# KiCad board RoyBoard.kicad_pcb (continued)
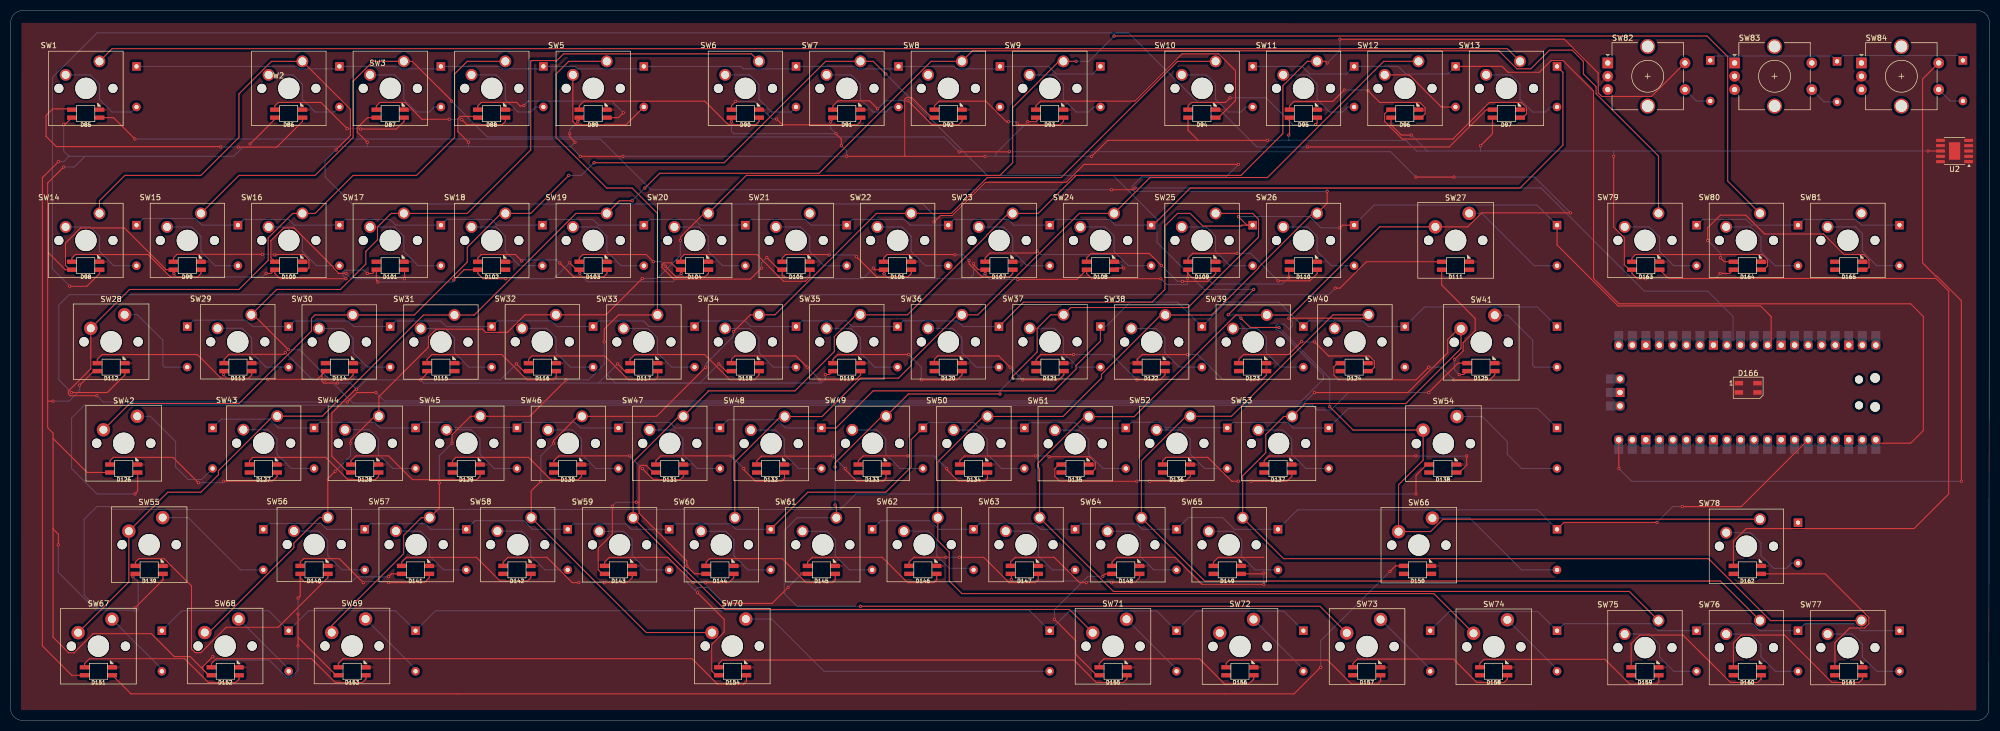
[diagram p0: board, top side]
## Routing (per net, layer and track width the routed paths; a pad name or vN(x,y) marks a point on that pad's centre or on a via; arc(x,y) is an arc through that point) (continued)
Net-(D54-A): length 24.3
  Bottom w0.2: SW54.2 276.16,57.08 276.23,57.15 280.99,52.39 280.99,50.01 283.67,47.32 D54.2
Net-(D55-A): length 23
  Bottom w0.2: D55.2 43.17,28.27 33.35,38.09 SW55.2
Net-(D56-A): length 18
  Bottom w0.2: SW56.2 57.78,35.58 59.53,33.83 59.53,30.96 62.22,28.27 D56.2
Net-(D57-A): length 18
  Bottom w0.2: SW57.2 76.91,35.56 78.58,33.89 78.58,30.96 81.27,28.27 D57.2
Net-(D58-A): length 17.9
  Bottom w0.2: SW58.2 95.98,35.55 97.63,33.9 97.63,30.96 100.32,28.27 D58.2
Net-(D59-A): length 17.9
  Bottom w0.2: SW59.2 115.1,35.52 116.68,33.94 116.68,30.96 119.37,28.27 D59.2
Net-(D60-A): length 17.9
  Bottom w0.2: SW60.2 134.21,35.53 135.78,33.97 135.78,31.01 135.73,30.96 138.42,28.27 D60.2
Net-(D61-A): length 17.9
  Bottom w0.2: D61.2 157.47,28.27 154.78,30.96 154.83,31.01 154.83,33.97 153.26,35.53 SW61.2
Net-(D62-A): length 17.9
  Bottom w0.2: SW62.2 172.3,35.55 173.87,33.99 173.87,31 173.83,30.96 176.21,28.58 180.48,28.58 D62.2
Net-(D63-A): length 17.9
  Bottom w0.2: SW63.2 191.41,35.55 192.98,33.99 192.98,31.06 192.88,30.96 195.57,28.27 D63.2
Net-(D64-A): length 17.9
  Bottom w0.2: SW64.2 210.53,35.52 212.1,33.96 212.1,31.13 211.93,30.96 214.62,28.27 D64.2
Net-(D65-A): length 17.9
  Bottom w0.2: SW65.2 229.54,35.52 231.11,33.96 231.11,31.09 230.98,30.96 233.67,28.27 D65.2
Net-(D66-A): length 27.4
  Bottom w0.2: SW66.2 273.94,38 283.67,28.27 D66.2
Net-(D67-A): length 13.7
  Bottom w0.2: D67.2 28.39,9.64 SW67.2
Net-(D68-A): length 13.7
  Bottom w0.2: SW68.2 52.2,9.64 D68.2
Net-(D69-A): length 13.7
  Bottom w0.2: D69.2 76.01,9.67 SW69.2
Net-(D70-A): length 61.1
  Bottom w0.2: SW70.2 142.89,19.04 152.7,9.22 D70.2
Net-(D71-A): length 13.7
  Bottom w0.2: D71.2 218.89,9.61 SW71.2
Net-(D72-A): length 13.6
  Bottom w0.2: SW72.2 242.7,9.61 D72.2
Net-(D73-A): length 13.6
  Bottom w0.2: D73.2 266.51,9.64 SW73.2
Net-(D74-A): length 13.5
  Bottom w0.2: SW74.2 290.32,9.58 D74.2
Net-(D75-A): length 17.8
  Bottom w0.2: SW75.2 307.62,16.21 309.56,14.27 309.56,11.91 312.25,9.22 D75.2
Net-(D76-A): length 17.8
  Bottom w0.2: SW76.2 326.67,16.21 328.61,14.27 328.61,11.91 331.3,9.22 D76.2
Net-(D77-A): length 17.8
  Bottom w0.2: D77.2 350.35,9.22 347.66,11.91 347.66,14.27 345.72,16.21 SW77.2
Net-(D78-A): length 18
  Bottom w0.2: SW78.2 326.67,35.26 328.61,33.32 328.61,30.96 330.99,28.58 333.38,28.58 334.33,29.53 D78.2
Net-(D79-A): length 18.1
  Bottom w0.2: SW79.2 307.62,92.73 309.56,90.78 309.56,88.11 312.25,85.42 D79.2
Net-(D80-A): length 18.1
  Bottom w0.2: D80.2 331.3,85.42 328.61,88.11 328.61,90.78 326.67,92.73 SW80.2
Net-(D81-A): length 18.5
  Bottom w0.2: SW81.2 346.38,92.73 347.66,91.44 347.66,88.11 350.35,85.42 D81.2
Net-(D82-A): length 5.7
  Bottom w0.2: SW83.S2 340.48,116.21 D82.2
Net-(D83-A): length 5.6
  Bottom w0.2: SW82.S2 316.49,116.38 D83.2
Net-(D84-A): length 5.4
  Bottom w0.2: D84.2 364.12,116.38 SW84.S2
Net-(D85-DOUT): length 61.1
  Top w0.2: D85.1 11.35,114.9 7.89,114.9 6.65,113.66 6.65,109.71 6.68,109.71 8.58,107.81 39.38,107.81 v1(39.45,107.74) ; v1(42.75,107.71) 49.96,107.71 54.8,112.55 D86.3
  Bottom w0.2: v1(39.45,107.74) 42.72,107.74 v1(42.75,107.71)
Net-(D86-DOUT): length 28.6
  Top w0.2: v1(65.69,111.1) 72.4,111.1 73.85,112.55 D87.3 ; v1(63.19,111.18) 58.26,116.1 50.25,116.1 49.6,115.45 D86.1
  Bottom w0.2: v1(65.69,111.1) 65.61,111.18 v1(63.19,111.18)
Net-(D87-DOUT): length 27.9
  Top w0.2: D87.1 68.65,115.45 69.3,116.1 74.07,116.1 77.22,112.95 v1(82.36,112.95) ; v1(84.69,112.88) 85.67,111.9 92.25,111.9 92.9,112.55 D88.3
  Bottom w0.2: v1(84.69,112.88) 84.62,112.95 v1(82.36,112.95)
Net-(D88-DOUT): length 33.3
  Top w0.2: v1(96.37,115.55) 96.28,115.46 95.63,115.46 94.98,116.11 88.36,116.11 87.7,115.45 D88.1 ; D89.3 114.12,113.25 v1(115.04,114.17)
  Bottom w0.2: v1(115.04,114.17) 112.85,116.36 97.17,116.36 v1(96.37,115.55)
Net-(D89-DOUT): length 37.7
  Top w0.2: D90.3 140.52,112.55 139.87,111.9 134.76,111.9 130.31,116.36 107.66,116.36 106.75,115.45 D89.1
Net-(D90-DOUT): length 28.1
  Top w0.2: D91.3 159.57,112.55 158.92,111.9 144.9,111.9 v1(143.81,112.99) ; v1(136.15,116.3) 135.32,115.48 D90.1
  Bottom w0.2: v1(143.81,112.99) 142.99,112.99 139.68,116.3 v1(136.15,116.3)
Net-(D91-DOUT): length 29.5
  Top w0.2: D92.3 178.62,112.55 177.97,111.9 173.01,111.9 v1(168.46,116.44) ; v1(162.77,114.9) 161.27,116.4 155.32,116.4 154.37,115.45 D91.1
  Bottom w0.2: v1(162.77,114.9) 164.31,116.44 v1(168.46,116.44)
Net-(D92-DOUT): length 28.1
  Top w0.2: v1(188.97,112.19) 189.26,111.9 197.02,111.9 197.67,112.55 D93.3 ; D92.1 173.42,115.45 174.33,116.36 183.08,116.36 186.96,112.48 v1(187.34,112.48)
  Bottom w0.2: v1(187.34,112.48) 188.68,112.48 v1(188.97,112.19)
Net-(D93-DOUT): length 54.2
  Top w0.2: D94.3 226.74,113.25 229.96,116.47 229.96,122.07 226.8,125.23 219.91,125.23 211.04,116.36 193.38,116.36 192.47,115.45 D93.1
Net-(D94-DOUT): length 28.8
  Top w0.2: v1(244.98,111.95) 245.3,112.27 D95.3 ; D94.1 221.05,115.45 221.7,116.1 228.08,116.1 v1(228.96,116.98)
  Bottom w0.2: v1(244.98,111.95) 244.93,111.9 240.75,111.9 235.67,116.98 v1(228.96,116.98)
Net-(D95-DOUT): length 31.4
  Top w0.2: v1(250.38,118.45) 248.23,116.3 240.95,116.3 240.1,115.45 D95.1 ; v1(254.82,118.34) 257.05,116.1 264.57,116.1 265.55,115.12 265.55,113.96 264.84,113.25 D96.3
  Bottom w0.2: v1(250.38,118.45) 254.71,118.45 v1(254.82,118.34)
Net-(D96-DOUT): length 36.9
  Top w0.2: D97.3 283.89,113.25 284.6,113.96 284.6,115.12 283.62,116.1 277.64,116.1 270.76,109.22 261.27,109.22 257.95,112.54 257.95,113.96 258.74,114.75 D96.1
Net-(D97-DOUT): length 333.5
  Top w0.2: D98.3 16.7,83.97 14.29,81.57 v1(11.09,81.57) ; D97.1 277.09,114.75 270.09,107.75 v1(243.49,107.75)
  Bottom w0.2: v1(11.09,81.57) 7.85,84.81 7.85,120.8 16.24,129.19 209.85,129.19 222.94,116.1 225.6,116.1 233.95,107.75 v1(243.49,107.75)
Net-(D98-DOUT): length 27.9
  Top w0.2: D98.1 11.5,86.87 12.15,87.53 25.79,87.53 29.99,83.32 35.1,83.32 35.75,83.97 D99.3
Net-(D100-DIN): length 29.8
  Top w0.2: v1(49.59,87.46) 49.65,87.53 55.02,87.53 56,86.55 56,85.01 55.67,84.67 D100.3 ; v1(47.28,87.57) 31.24,87.57 30.55,86.87 D99.1
  Bottom w0.2: v1(49.59,87.46) 49.48,87.57 v1(47.28,87.57)
Net-(D100-DOUT): length 36.1
  Top w0.2: D101.3 73.96,84.57 v1(73.96,82.98) ; D100.1 48.86,86.91 48.86,90.13 51.26,92.52 53.2,92.52 60.62,85.1 60.62,84.97 61.61,83.98 v1(62.96,83.98)
  Bottom w0.2: v1(62.96,83.98) 63.96,82.98 v1(73.96,82.98)
Net-(D102-DOUT): length 28.1
  Top w0.2: D103.3 111.95,83.97 111.3,83.32 105.71,83.32 v1(103.1,85.94) ; v1(95.96,86.33) 94.76,87.53 88.35,87.53 87.7,86.87 D102.1
  Bottom w0.2: v1(103.1,85.94) 102.51,86.53 96.15,86.53 v1(95.96,86.33)
Net-(D103-DOUT): length 27.9
  Top w0.2: D103.1 106.75,86.87 107.4,87.53 119.33,87.53 v1(120.65,86.21) ; D104.3 131,83.97 130.35,83.32 124.92,83.32 v1(122.89,85.36)
  Bottom w0.2: v1(120.65,86.21) 122.04,86.21 v1(122.89,85.36)
Net-(D104-DOUT): length 29
  Top w0.2: D104.1 125.8,86.87 126.45,87.53 140.09,87.53 145.1,82.51 149.23,82.51 150.05,83.33 D105.3
Net-(D105-DOUT): length 27.9
  Top w0.2: v1(158.79,87.13) 162.59,83.32 168.45,83.32 169.1,83.97 D106.3 ; v1(153.69,87.45) 153.61,87.53 145.5,87.53 144.85,86.87 D105.1
  Bottom w0.2: v1(158.79,87.13) 158.47,87.45 v1(153.69,87.45)
Net-(D106-DOUT): length 28.3
  Top w0.2: v1(179.95,86.38) 179.95,85.77 182.39,83.32 187.5,83.32 188.15,83.97 D107.3 ; v1(177.29,87.48) 177.24,87.53 164.55,87.53 163.9,86.87 D106.1
  Bottom w0.2: v1(177.29,87.48) 178.85,87.48 v1(179.95,86.38)
Net-(D107-DOUT): length 30.6
  Top w0.2: v1(192.74,88.2) 192.36,87.82 183.9,87.82 182.95,86.87 D107.1 ; D108.3 207.5,84.98 v1(208.96,84.98)
  Bottom w0.2: v1(192.74,88.2) 193.41,87.53 206.55,87.53 208.96,85.12 v1(208.96,84.98)
Net-(D108-DOUT): length 28.8
  Top w0.2: v1(219.98,82.49) 224.76,82.49 226.25,83.97 D109.3 ; D108.1 202,86.87 202.85,87.73 213.8,87.73 v1(216.05,85.48)
  Bottom w0.2: v1(216.05,85.48) 219.04,82.49 v1(219.98,82.49)
Net-(D109-DOUT): length 28.7
  Top w0.2: v1(237.97,82.59) 243.91,82.59 245.3,83.97 D110.3 ; v1(230.25,87.75) 221.92,87.75 221.05,86.87 D109.1
  Bottom w0.2: v1(230.25,87.75) 232.81,87.75 v1(237.97,82.59)
Net-(D111-DOUT): length 292.5
  Top w0.2: v1(248.69,81.21) 249.57,81.21 254.53,86.17 D111.1 ; D112.3 21.46,64.92 18.13,61.6 v1(11.43,61.6)
  Bottom w0.2: v1(11.43,61.6) 9.05,63.98 9.05,78.05 10.97,79.97 247.45,79.97 v1(248.69,81.21)
Net-(D112-DOUT): length 32.9
  Top w0.2: D113.3 45.27,64.92 44.62,64.27 39.51,64.27 35.05,68.74 17.18,68.74 16.26,67.82 D112.1
Net-(D113-DOUT): length 28.7
  Top w0.2: D113.1 40.07,67.82 41.03,68.78 51.26,68.78 v1(51.57,69.09) ; D114.3 64.32,64.92 63.38,63.98 v1(59.06,63.98)
  Bottom w0.2: v1(59.06,63.98) 56.67,63.98 v1(51.57,69.09)
Net-(D115-DOUT): length 28.6
  Top w0.2: D116.3 102.42,64.48 101.92,63.98 96.96,63.98 92.2,68.74 79.09,68.74 78.17,67.82 D115.1
Net-(D116-DOUT): length 28.4
  Top w0.2: D117.3 121.47,64.48 120.97,63.98 116.01,63.98 111.51,68.48 97.88,68.48 97.22,67.82 D116.1
Net-(D117-DOUT): length 28.4
  Top w0.2: D117.1 116.27,67.82 117.19,68.74 130.3,68.74 135.06,63.98 139.58,63.98 140.52,64.92 D118.3
Net-(D118-DOUT): length 28.2
  Top w0.2: v1(151.92,63.98) 158.64,63.98 159.58,64.92 D119.3 ; D118.1 135.32,67.82 135.98,68.48 147.43,68.48 v1(149.54,66.36)
  Bottom w0.2: v1(149.54,66.36) v1(151.92,63.98)
Net-(D119-DOUT): length 29.8
  Top w0.2: D120.3 178.62,64.92 177.68,63.98 v1(170.97,63.98) ; D119.1 154.38,67.82 155.3,68.74 v1(168.59,68.74)
  Bottom w0.2: v1(170.97,63.98) 170.97,66.36 v1(168.59,68.74)
Net-(D120-DOUT): length 28.2
  Top w0.2: v1(190.02,63.98) 196.79,63.98 197.73,64.92 D121.3 ; v1(187.64,66.36) 185.53,68.48 174.08,68.48 173.42,67.82 D120.1
  Bottom w0.2: v1(187.64,66.36) v1(190.02,63.98)
Net-(D121-DOUT): length 28.3
  Top w0.2: D122.3 216.72,64.92 215.78,63.98 v1(211.46,63.98) ; D121.1 192.53,67.82 193.45,68.74 v1(199.55,68.74)
  Bottom w0.2: v1(199.55,68.74) 206.69,68.74 v1(211.46,63.98)
Net-(D123-DOUT): length 31.7
  Top w0.2: v1(244.79,71.12) 247.44,68.48 255.05,68.48 256.03,67.5 256.03,66.34 255.31,65.62 D124.3 ; v1(242.37,71.16) 239.95,68.74 231.49,68.74 230.57,67.82 D123.1
  Bottom w0.2: v1(244.79,71.12) 242.41,71.12 v1(242.37,71.16)
Net-(D124-DOUT): length 36.7
  Top w0.2: D125.3 278.64,64.92 277.69,63.98 v1(270.99,63.98) ; v1(266.22,66.36) 263.84,63.98 249.36,63.98 248.42,64.91 248.42,66.41 249.13,67.12 D124.1
  Bottom w0.2: v1(266.22,66.36) 268.61,66.36 v1(270.99,63.98)
Net-(D125-DOUT): length 294.6
  Top w0.2: v1(23.34,42.55) 23.84,43.05 D126.3 ; D125.1 271.75,67.12 v1(266.22,61.6)
  Bottom w0.2: v1(266.22,61.6) 251.16,61.6 247.9,58.33 245.27,58.33 244.38,59.22 13.81,59.22 11.43,56.83 11.43,47.31 16.19,42.55 v1(23.34,42.55)
Net-(D126-DOUT): length 35.6
  Top w0.2: v1(35.24,44.65) 30.46,49.43 19.29,49.43 18.64,48.77 D126.1 ; D127.3 50.04,45.87 49.09,44.93 v1(40.01,44.93)
  Bottom w0.2: v1(35.24,44.65) 39.72,44.65 v1(40.01,44.93)
Net-(D127-DOUT): length 27.9
  Top w0.2: D128.3 69.09,45.87 68.44,45.22 63.33,45.22 59.12,49.43 45.49,49.43 44.84,48.77 D127.1
Net-(D128-DOUT): length 28.1
  Top w0.2: D129.3 88.14,45.87 87.49,45.22 75.43,45.22 70.96,49.69 64.8,49.69 63.89,48.77 D128.1
Net-(D129-DOUT): length 27.9
  Top w0.2: D129.1 82.94,48.77 83.59,49.43 97.22,49.43 101.43,45.22 106.54,45.22 107.19,45.87 D130.3
Net-(D130-DOUT): length 28.3
  Top w0.2: v1(116.21,49.69) 102.9,49.69 101.99,48.77 D130.1 ; D131.3 126.35,45.87 125.7,45.22 120.67,45.22 v1(118.59,47.31)
  Bottom w0.2: v1(116.21,49.69) v1(118.59,47.31)
Net-(D131-DOUT): length 28.7
  Top w0.2: D131.1 121.15,48.77 122.07,49.69 v1(135.26,49.69) ; D132.3 145.29,45.43 144.78,44.93 139.82,44.93 137.64,47.11 v1(137.64,47.31)
  Bottom w0.2: v1(135.26,49.69) v1(137.64,47.31)
Net-(D132-DOUT): length 28.8
  Top w0.2: v1(156.69,47.31) 156.69,47.11 158.87,44.93 163.83,44.93 164.34,45.43 D133.3 ; v1(154.31,49.69) 154.27,49.65 140.96,49.65 140.09,48.77 D132.1
  Bottom w0.2: v1(154.31,49.69) v1(156.69,47.31)
Net-(D133-DOUT): length 28.8
  Top w0.2: D133.1 159.14,48.77 160.05,49.69 v1(168.47,49.69) ; D134.3 183.39,45.43 182.88,44.93 177.92,44.93 175.74,47.11 v1(175.74,47.31)
  Bottom w0.2: v1(168.47,49.69) 173.36,49.69 v1(175.74,47.31)
Net-(D134-DOUT): length 29.7
  Top w0.2: D135.3 202.93,46.57 203.64,47.29 203.64,48.45 202.55,49.53 v1(194.94,49.53) ; v1(192.41,49.69) 192.39,49.67 179.08,49.67 178.19,48.77 D134.1
  Bottom w0.2: v1(192.41,49.69) 194.79,49.69 v1(194.94,49.53)
Net-(D135-DOUT): length 29.9
  Top w0.2: D135.1 196.83,48.07 196.04,47.29 196.04,45.86 196.97,44.93 v1(211.46,44.93) ; D136.3 221.49,45.87 220.54,44.93 v1(213.84,44.93)
  Bottom w0.2: v1(211.46,44.93) v1(213.84,44.93)
Net-(D136-DOUT): length 28.2
  Top w0.2: v1(230.51,44.93) 229.25,44.93 224.75,49.43 216.94,49.43 216.29,48.77 D136.1 ; v1(232.89,44.93) 239.59,44.93 240.54,45.87 D137.3
  Bottom w0.2: v1(230.51,44.93) v1(232.89,44.93)
Net-(D137-DOUT): length 43.3
  Top w0.2: v1(273.37,49.69) 273.37,47.96 271.98,46.57 D138.3 ; v1(263.84,49.69) 263.82,49.67 236.23,49.67 235.34,48.77 D137.1
  Bottom w0.2: v1(263.84,49.69) 263.88,49.65 273.33,49.65 v1(273.37,49.69)
Net-(D138-DOUT): length 292.6
  Top w0.2: D138.1 265.88,48.07 263.84,46.04 v1(263.84,42.55) ; v1(23.34,21.12) 28.61,26.38 D139.3
  Bottom w0.2: v1(263.84,42.55) 158.67,42.55 155.77,39.64 19.1,39.64 18.57,40.17 16.19,40.17 13.81,37.78 13.81,23.5 16.19,21.12 v1(23.34,21.12)
Net-(D139-DOUT): length 57.9
  Top w0.2: D139.1 23.41,29.72 24.06,30.38 28.83,30.38 33.95,25.25 33.95,13.45 34.67,12.74 35.71,12.74 40.46,17.49 50.23,17.49 59.56,26.82 D140.3
Net-(D140-DOUT): length 28.3
  Top w0.2: D141.3 78.61,26.82 77.67,25.88 v1(70.96,25.88) ; v1(66.2,25.88) 61.7,30.38 55.01,30.38 54.36,29.72 D140.1
  Bottom w0.2: v1(70.96,25.88) 70.75,26.09 66.41,26.09 v1(66.2,25.88)
Net-(D141-DOUT): length 28.1
  Top w0.2: D142.3 97.66,26.82 97.01,26.17 91.9,26.17 87.43,30.64 74.33,30.64 73.41,29.72 D141.1
Net-(D142-DOUT): length 28.4
  Top w0.2: D143.3 116.71,26.82 115.77,25.88 v1(111.44,25.88) ; D142.1 92.46,29.72 93.38,30.64 100.66,30.64 105.43,25.88 v1(106.68,25.88)
  Bottom w0.2: v1(106.68,25.88) v1(111.44,25.88)
Net-(D143-DOUT): length 28.4
  Top w0.2: v1(130.49,25.88) 134.82,25.88 135.76,26.82 D144.3 ; v1(128.11,25.88) 123.36,30.63 112.42,30.63 111.51,29.72 D143.1
  Bottom w0.2: v1(128.11,25.88) v1(130.49,25.88)
Net-(D144-DOUT): length 28.4
  Top w0.2: D144.1 130.56,29.72 131.21,30.38 144.85,30.38 149.35,25.88 154.31,25.88 154.81,26.38 D145.3
Net-(D145-DOUT): length 28.7
  Top w0.2: D145.1 149.61,29.72 150.53,30.64 163.63,30.64 168.4,25.88 173.36,25.88 173.86,26.38 D146.3
Net-(D146-DOUT): length 28.7
  Top w0.2: v1(175.61,30.64) 169.58,30.64 168.66,29.72 D146.1 ; D147.3 192.91,26.38 192.41,25.88 187.45,25.88 182.68,30.64 v1(178.12,30.64)
  Bottom w0.2: v1(175.61,30.64) v1(178.12,30.64)
Net-(D147-DOUT): length 28.6
  Top w0.2: v1(206.69,25.88) 211.02,25.88 211.96,26.82 D148.3 ; v1(201.93,25.88) 200.68,25.88 195.91,30.64 188.63,30.64 187.71,29.72 D147.1
  Bottom w0.2: v1(206.69,25.88) 206.49,26.09 202.14,26.09 v1(201.93,25.88)
Net-(D148-DOUT): length 38.6
  Top w0.2: D149.3 235.12,27.52 v1(235.27,27.67) ; D148.1 206.76,29.72 207.67,30.63 218.61,30.63 223.67,25.57 v1(235.27,25.57)
  Bottom w0.2: v1(235.27,27.67) 235.35,27.76 235.35,27.79 235.27,27.87 v1(235.27,25.57)
Net-(D149-DOUT): length 10.5
  Top w0.2: D149.1 225.81,29.72 226.72,30.63 235.26,30.63 235.27,30.64
Net-(D150-DOUT): length 256.8
  Top w0.2: D150.1 260,29.02 v1(258.96,27.98) ; v1(245.96,9.98) 240.96,4.98 22.58,4.98 D151.3
  Bottom w0.2: v1(245.96,9.98) 245.96,14.98 v1(258.96,27.98)
Net-(D151-DOUT): length 32.9
  Top w0.2: D151.1 13.88,10.67 14.79,11.58 32.67,11.58 37.13,7.12 42.24,7.12 42.89,7.77 D152.3
Net-(D152-DOUT): length 32.9
  Top w0.2: D153.3 66.71,7.77 66.05,7.12 60.94,7.12 56.48,11.59 38.61,11.59 37.69,10.67 D152.1
Net-(D153-DOUT): length 81
  Top w0.2: D153.1 61.51,10.67 62.42,11.59 127.92,11.59 132.68,6.83 137.64,6.83 138.14,7.33 D154.3
Net-(D154-DOUT): length 80.3
  Top w0.2: D154.1 132.94,10.67 133.59,11.33 199.62,11.33 203.82,7.12 208.93,7.12 209.58,7.77 D155.3
Net-(D155-DOUT): length 33.1
  Top w0.2: D156.3 233.39,7.77 232.45,6.83 227.93,6.83 223.18,11.57 205.28,11.57 204.38,10.67 D155.1
Net-(D156-DOUT): length 33.2
  Top w0.2: D156.1 228.19,10.67 228.84,11.33 247.24,11.33 251.74,6.83 256.7,6.83 257.21,7.33 D157.3
Net-(D157-DOUT): length 32.9
  Top w0.2: D158.3 281.02,7.77 280.37,7.12 275.26,7.12 270.86,11.52 252.85,11.52 252.01,10.67 D157.1
Net-(D158-DOUT): length 38
  Top w0.2: D158.1 275.82,10.67 276.61,11.47 299.33,11.47 303.97,6.83 309.09,6.83 309.43,7.18 D159.3
Net-(D159-DOUT): length 34.2
  Top w0.2: D160.3 328.64,7.77 327.99,7.12 322.88,7.12 313.99,16.02 305.86,16.02 304.23,14.39 D159.1
Net-(D160-DOUT): length 34.1
  Top w0.2: D161.3 347.69,7.77 347.04,7.12 341.93,7.12 333.04,16.02 324.91,16.02 323.44,14.55 D160.1
Net-(D161-DOUT): length 37.3
  Top w0.2: D161.1 342.49,14.59 345.25,17.35 348.05,17.35 348.88,18.17 348.88,19.33 340.68,27.52 D162.3
Net-(D162-DOUT): length 142.7
  Top w0.2: D163.3 311.24,83.03 361.47,83.03 363.86,80.65 363.86,42.55 357.36,36.05 325.85,36.05 323.44,33.64 D162.1
Net-(D163-DOUT): length 29.5
  Top w0.2: D163.1 304.39,86.87 305.04,87.53 328.86,87.53 329.84,86.55 329.84,85.39 329.13,84.67 D164.3
Net-(D164-DOUT): length 46.9
  Top w0.2: D165.3 348.43,84.67 348.89,85.14 348.89,86.55 347.91,87.53 344.21,87.53 340.35,91.39 329.3,91.39 325.76,94.93 320.99,94.93 318.61,92.55 v1(318.61,90.17) ; D164.1 321.74,86.17 v1(320.99,86.93)
  Bottom w0.2: v1(320.99,86.93) 320.99,87.79 v1(318.61,90.17)

## Copper pours and planes (outline as drawn; the poured copper is in the pictures)
GND on Top, Bottom: 2.03,131.04 369.05,131 369.04,1.89 1.94,1.95 2.02,131.05
